# Altium PCB 键盘-Tony.PcbDoc (part 1 of 4)
Units mm, origin at the board's own origin, x right, y up, seen from the top; angles counter-clockwise.
Board outline 443.48 x 149.35 mm, 2 copper layers (Top Layer, Bottom Layer); 278 components, 283 nets, 1577 pads, 1412 vias.
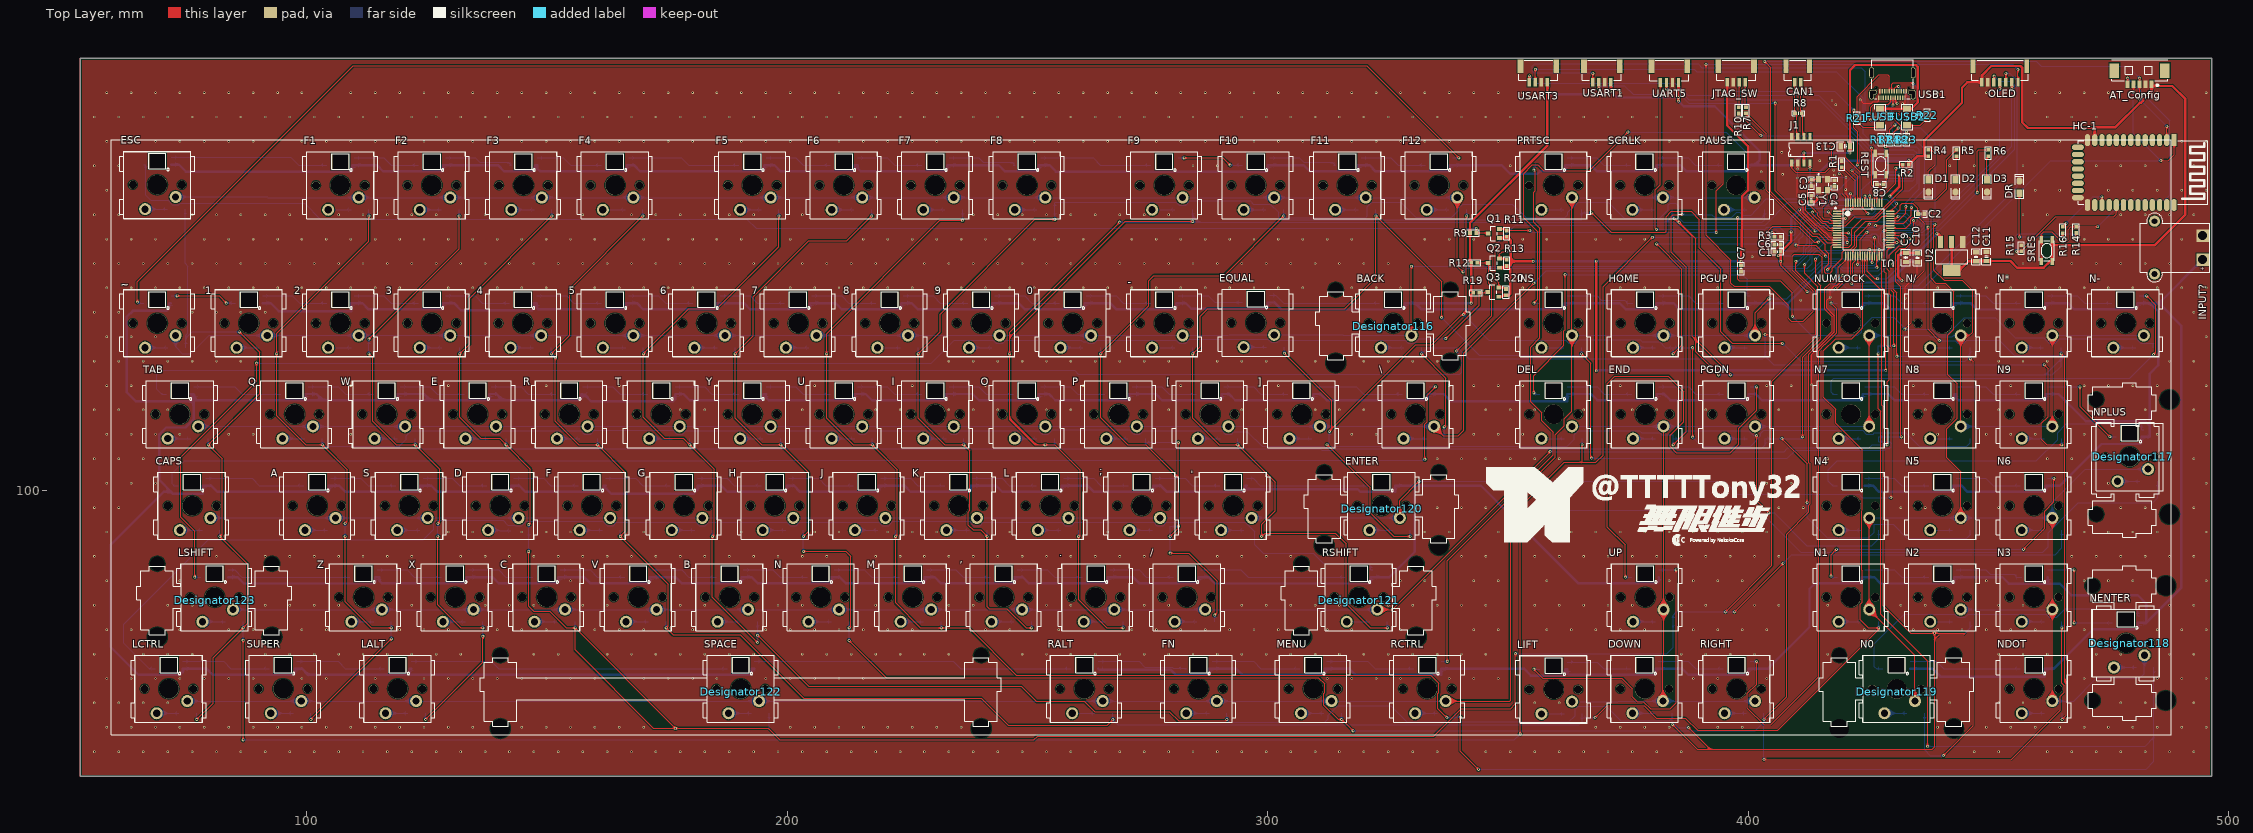
[diagram p0: Top Layer view]
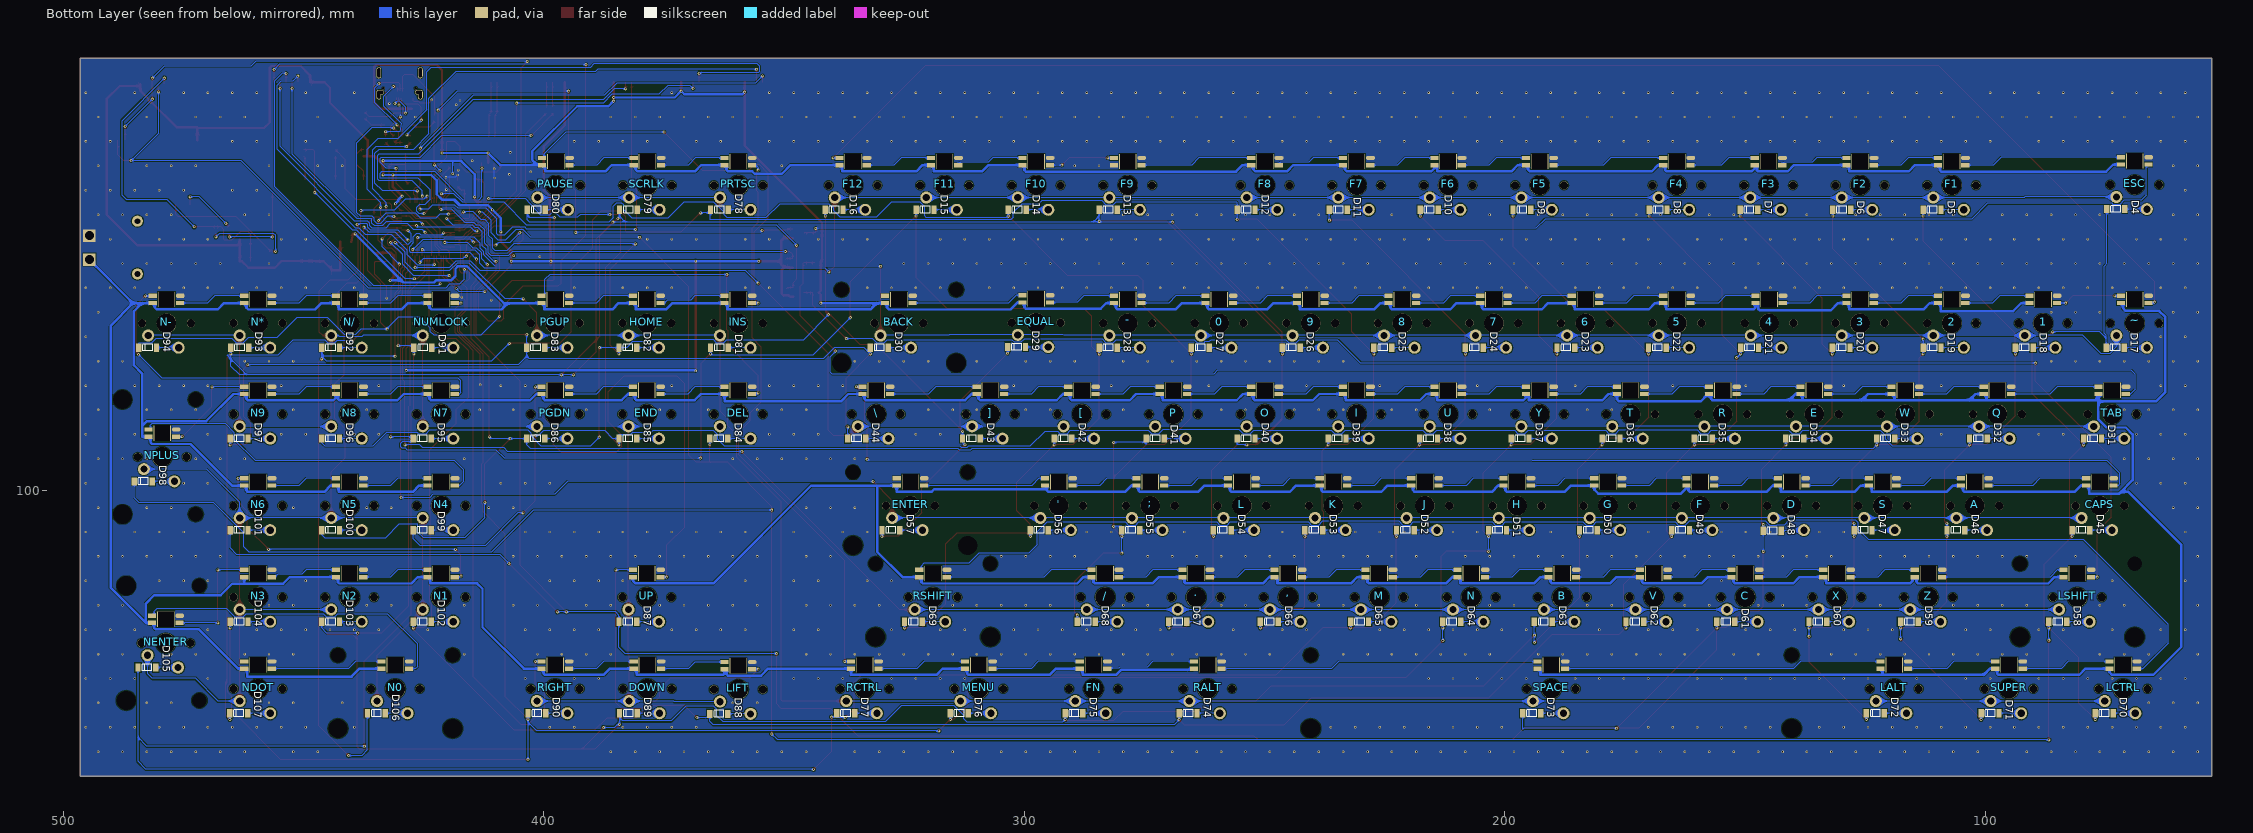
[diagram p1: Bottom Layer view, seen from below]

## Layer stack, top to bottom
Top Solder: solder mask 0.0102, Solder Resist, Dk 3.5
Top Layer: signal copper 0.0356
Dielectric 1: dielectric 0.32, FR-4, Dk 4.8
Bottom Layer: signal copper 0.0356
Bottom Solder: solder mask 0.0102, Solder Resist, Dk 3.5

## Board outline
52.959,40.64 52.959,189.992 496.443,189.992 496.443,40.64

## Design rules (kind name [scope] priority, off if disabled: settings)
Clearance [All] p1: gap=0.152 ignorepadtopadclearanceinfootprint=FALSE except(0: Arc-Hole Track-Hole SMDPad-Hole THPad-Hole Via-Hole Fill-Hole Poly-Hole Region-Hole Text-Hole)
HoleSize [All] p1: absolutevalues=TRUE maxlimit=25.4 minlimit=0.025 maxpercent=80.000 minpercent=20.000
HoleToHoleClearance [All] p1: gap=0 allowstackedmicrovias=TRUE
MinimumSolderMaskSliver [All] p1: minsoldermaskwidth=0
PolygonConnect [All] p1: connectstyle=Direct reliefconductorwidth=0.254 reliefentries=4 polygonreliefangle="90 Angle" airgapwidth=0.254
RoutingVias [All] p1: holewidth=0.305 width=0.61 viastyle="Through Hole" minholewidth=0.305 minwidth=0.61 maxholewidth=1.27 maxwidth=1.27 viatemplateguid#1={4AA300DE-D677-4466-8051-0518374BE832} viatemplatename#1=v61h30
SilkToSilkClearance [All] p1: silktosilkclearance=0
SilkToSolderMaskClearance [IsPad] p1: minsilkscreentomaskgap=0 clearancetoexposedcopper=TRUE
SolderMaskExpansion [All] p1: expansion=0.102 istentingtop=FALSE
Width Width_2 [InNet('L_VCC')] p1: maxlimit=0.508 minlimit=0.508 preferedwidth=0.508
Width Width_1 [InNet('VCC3V3')] p2: maxlimit=0.508 minlimit=0.254 preferedwidth=0.508
Width [All] p3: maxlimit=0.254 minlimit=0.254 preferedwidth=0.254
25 further rules are at their usual default settings.

## Classes and differential pairs
component class 主板: C1 C2 C3 C4 C5 C6 C7 C8 C9 C10 C11 C12 C13 CAN1 D1 D2 D3 INPUT? J1 JTAG_SW OLED Q1 Q2 Q3 R1 R2 R3 R4 R5 R6 R7 R8 R9 R10 R11 R12 R13 R19 R20 RES REST U1 U2 UART5 USART1 USART3 Y1
component class 蓝牙和数据: AT_Config DR FUSB FUSB2 HC-1 R14 R15 R16 R17 R18 R21 R22 R23 R24 SRES USB1
component class 键盘扫描: 0 1 2 3 4 5 6 7 8 9 ' , - . / ; [ \ ] A B BACK C CAPS D D4 D5 D6 D7 D8 D9 D10 D11 D12 D13 D14 D15 D16 D17 D18 D19 D20 D21 D22 D23 D24 D25 D26 D27 D28 D29 D30 D31 D32 D33 D34 D35 D36 D37 D38 D39 D40 D41 D42 D43 D44 D45 D46 D47 D48 D49 D50 D51 D52 D53 D54 D55 D56 D57 D58 D59 D60 D61 D62 D63 D64 D65 D66 D67 D68 D69 D70 D71 D72 D73 D74 D75 D76 D77 D78 D79 D80 D81 D82 D83 D84 D85 D86 D87 D88 D89 D90 D91 D92 D93 D94 D95 D96 D97 D98 D99 D100 D101 D102 D103 D104 D105 D106 D107 DEL DOWN E END ENTER EQUAL ESC F F1 F2 F3 F4 F5 F6 F7 F8 F9 F10 F11 F12 FN G H HOME I INS J K L LALT LCTRL LIFT LSHIFT M MENU N N0 N1 N2 N3 N4 N5 N6 N7 N8 N9 N* N- N/ NDOT NENTER NPLUS NUMLOCK O P PAUSE PGDN PGUP PRTSC Q R RALT RCTRL RIGHT RSHIFT S SCRLK SPACE SUPER T TAB U UP V W X Y Z ~

## Components (designator, comment, footprint, x,y, rotation, side; value= is the part's Value field where it differs from the comment)
0 "Comment" MX_SW-1 259.461,134.874 r0 top locked
1 "Comment" MX_SW-1 88.011,134.874 r0 top locked
2 "Comment" MX_SW-1 107.061,134.874 r0 top locked
3 "Comment" MX_SW-1 126.111,134.874 r0 top locked
4 "Comment" MX_SW-1 145.034,134.874 r0 top locked
5 "Comment" MX_SW-1 164.211,134.874 r0 top locked
6 "Comment" MX_SW-1 183.261,134.874 r0 top locked
7 "Comment" MX_SW-1 202.311,134.874 r0 top locked
8 "Comment" MX_SW-1 221.361,134.874 r0 top locked
9 "Comment" MX_SW-1 240.411,134.874 r0 top locked
' "Comment" MX_SW-1 292.862,96.901 r0 top locked
, "Comment" MX_SW-1 245.11,77.851 r0 top locked
- "Comment" MX_SW-1 278.511,134.874 r0 top locked
. "Comment" MX_SW-1 264.287,77.851 r0 top locked
/ "Comment" MX_SW-1 283.21,77.851 r0 top locked
; "Comment" MX_SW-1 273.812,96.901 r0 top locked
[ "Comment" MX_SW-1 288.036,115.951 r0 top locked
\ "Comment" MX_SW-1 330.835,115.951 r0 top locked
] "Comment" MX_SW-1 307.086,115.951 r0 top locked
A "Comment" MX_SW-1 102.235,96.901 r0 top locked
AT_Config "HDR1x4" "MX 1.25-WS-5P" 481.457,187.452 r180 top
B "Comment" MX_SW-1 188.087,77.851 r0 top locked
BACK "Comment" MX_SW-1 326.136,134.874 r0 top locked
C "Comment" MX_SW-1 149.987,77.851 r0 top locked
C1 "C 0603_L" "C 0603_L" 406.131,149.733 r180 top
C2 "C 0603_L" "C 0603_L" 435.991,157.607 r0 top
C3 "C 0603_L" "C 0603_L" 413.131,164.084 r270 top
C4 "C 0603_L" "C 0603_L" 417.957,163.972 r270 top
C5 "C 0603_L" "C 0603_L" 413.131,160.797 r90 top
C6 "C 0603_L" "C 0603_L" 406.146,151.257 r0 top
C7 "C 0603_L" "C 0603_L" 398.526,146.304 r270 top
C8 "C 0603_L" "C 0603_L" 427.482,163.83 r180 top
C9 "C 0805_L" "C 0805_L" 432.816,148.59 r90 top
C10 "C 0805_L" "C 0805_L" 435.229,148.524 r90 top
C11 "C 0805_L" "C 0805_L" 449.58,148.783 r270 top
C12 "C 0805_L" "C 0805_L" 447.421,148.717 r270 top
C13 "C 0805_L" "C 0805_L" 420.243,171.704 r180 top
CAN1 "HDR1x2" GH1.25-立贴-2P 410.952,185.039 r180 top
CAPS "Comment" MX_SW-1 76.2,96.901 r0 top locked
D "Comment" MX_SW-1 140.335,96.901 r0 top locked
D1 "LED" "LED 0805R" 437.515,163.449 r270 top
D2 "LED" "LED 0805R" 443.166,163.449 r270 top
D3 "LED" "LED 0805R" 449.707,163.449 r270 top
D4 "LL4148" LL-34_L3.7-W1.6-RD 72.898,158.623 r180 bottom locked
D5 "LL4148" LL-34_L3.7-W1.6-RD 111.125,158.496 r180 bottom locked
D6 "LL4148" LL-34_L3.7-W1.6-RD 129.921,158.496 r180 bottom locked
D7 "LL4148" LL-34_L3.7-W1.6-RD 149.225,158.496 r180 bottom locked
D8 "LL4148" LL-34_L3.7-W1.6-RD 168.148,158.496 r180 bottom locked
D9 "LL4148" LL-34_L3.7-W1.6-RD 196.469,158.496 r180 bottom locked
D10 "LL4148" LL-34_L3.7-W1.6-RD 215.773,158.496 r180 bottom locked
D11 "LL4148" LL-34_L3.7-W1.6-RD 234.696,158.496 r180 bottom locked
D12 "LL4148" LL-34_L3.7-W1.6-RD 253.873,158.496 r180 bottom locked
D13 "LL4148" LL-34_L3.7-W1.6-RD 282.575,158.496 r180 bottom locked
D14 "LL4148" LL-34_L3.7-W1.6-RD 301.498,158.496 r180 bottom locked
D15 "LL4148" LL-34_L3.7-W1.6-RD 320.675,158.496 r180 bottom locked
D16 "LL4148" LL-34_L3.7-W1.6-RD 339.598,158.496 r180 bottom locked
D17 "LL4148" LL-34_L3.7-W1.6-RD 73.025,129.794 r180 bottom locked
D18 "LL4148" LL-34_L3.7-W1.6-RD 91.948,129.794 r180 bottom locked
D19 "LL4148" LL-34_L3.7-W1.6-RD 111.125,129.794 r180 bottom locked
D20 "LL4148" LL-34_L3.7-W1.6-RD 130.048,129.794 r180 bottom locked
D21 "LL4148" LL-34_L3.7-W1.6-RD 149.098,129.794 r180 bottom locked
D22 "LL4148" LL-34_L3.7-W1.6-RD 168.275,129.794 r180 bottom locked
D23 "LL4148" LL-34_L3.7-W1.6-RD 187.325,129.794 r180 bottom locked
D24 "LL4148" LL-34_L3.7-W1.6-RD 206.375,129.794 r180 bottom locked
D25 "LL4148" LL-34_L3.7-W1.6-RD 225.425,129.794 r180 bottom locked
D26 "LL4148" LL-34_L3.7-W1.6-RD 244.475,129.794 r180 bottom locked
D27 "LL4148" LL-34_L3.7-W1.6-RD 263.398,129.794 r180 bottom locked
D28 "LL4148" LL-34_L3.7-W1.6-RD 282.575,129.794 r180 bottom locked
D29 "LL4148" LL-34_L3.7-W1.6-RD 301.625,129.921 r180 bottom locked
D30 "LL4148" LL-34_L3.7-W1.6-RD 330.2,129.794 r180 bottom locked
D31 "LL4148" LL-34_L3.7-W1.6-RD 77.724,110.871 r180 bottom locked
D32 "LL4148" LL-34_L3.7-W1.6-RD 101.473,110.871 r180 bottom locked
D33 "LL4148" LL-34_L3.7-W1.6-RD 120.777,110.871 r180 bottom locked
D34 "LL4148" LL-34_L3.7-W1.6-RD 139.7,110.871 r180 bottom locked
D35 "LL4148" LL-34_L3.7-W1.6-RD 158.75,110.871 r180 bottom locked
D36 "LL4148" LL-34_L3.7-W1.6-RD 177.927,110.871 r180 bottom locked
D37 "LL4148" LL-34_L3.7-W1.6-RD 196.85,110.871 r180 bottom locked
D38 "LL4148" LL-34_L3.7-W1.6-RD 215.9,110.871 r180 bottom locked
D39 "LL4148" LL-34_L3.7-W1.6-RD 234.95,110.871 r180 bottom locked
D40 "LL4148" LL-34_L3.7-W1.6-RD 253.873,110.871 r180 bottom locked
D41 "LL4148" LL-34_L3.7-W1.6-RD 272.796,110.871 r180 bottom locked
D42 "LL4148" LL-34_L3.7-W1.6-RD 291.973,110.871 r180 bottom locked
D43 "LL4148" LL-34_L3.7-W1.6-RD 311.023,110.871 r180 bottom locked
D44 "LL4148" LL-34_L3.7-W1.6-RD 334.899,110.871 r180 bottom locked
D45 "LL4148" LL-34_L3.7-W1.6-RD 80.137,91.821 r180 bottom locked
D46 "LL4148" LL-34_L3.7-W1.6-RD 106.172,91.821 r180 bottom locked
D47 "LL4148" LL-34_L3.7-W1.6-RD 125.476,91.821 r180 bottom locked
D48 "LL4148" LL-34_L3.7-W1.6-RD 144.399,91.694 r180 bottom locked
D49 "LL4148" LL-34_L3.7-W1.6-RD 163.449,91.821 r180 bottom locked
D50 "LL4148" LL-34_L3.7-W1.6-RD 182.626,91.821 r180 bottom locked
D51 "LL4148" LL-34_L3.7-W1.6-RD 201.549,91.821 r180 bottom locked
D52 "LL4148" LL-34_L3.7-W1.6-RD 220.726,91.821 r180 bottom locked
D53 "LL4148" LL-34_L3.7-W1.6-RD 239.776,91.821 r180 bottom locked
D54 "LL4148" LL-34_L3.7-W1.6-RD 258.826,91.821 r180 bottom locked
D55 "LL4148" LL-34_L3.7-W1.6-RD 277.876,91.821 r180 bottom locked
D56 "LL4148" LL-34_L3.7-W1.6-RD 296.926,91.821 r180 bottom locked
D57 "LL4148" LL-34_L3.7-W1.6-RD 327.787,91.821 r180 bottom locked
D58 "LL4148" LL-34_L3.7-W1.6-RD 84.963,72.771 r180 bottom locked
D59 "LL4148" LL-34_L3.7-W1.6-RD 115.824,72.771 r180 bottom locked
D60 "LL4148" LL-34_L3.7-W1.6-RD 134.874,72.771 r180 bottom locked
D61 "LL4148" LL-34_L3.7-W1.6-RD 154.051,72.771 r180 bottom locked
D62 "LL4148" LL-34_L3.7-W1.6-RD 172.974,72.771 r180 bottom locked
D63 "LL4148" LL-34_L3.7-W1.6-RD 192.024,72.771 r180 bottom locked
D64 "LL4148" LL-34_L3.7-W1.6-RD 211.074,72.771 r180 bottom locked
D65 "LL4148" LL-34_L3.7-W1.6-RD 230.251,72.771 r180 bottom locked
D66 "LL4148" LL-34_L3.7-W1.6-RD 249.047,72.771 r180 bottom locked
D67 "LL4148" LL-34_L3.7-W1.6-RD 268.097,72.771 r180 bottom locked
D68 "LL4148" LL-34_L3.7-W1.6-RD 287.147,72.771 r180 bottom locked
D69 "LL4148" LL-34_L3.7-W1.6-RD 323.088,72.771 r180 bottom locked
D70 "LL4148" LL-34_L3.7-W1.6-RD 75.311,53.721 r180 bottom locked
D71 "LL4148" LL-34_L3.7-W1.6-RD 99.06,53.721 r180 bottom locked
D72 "LL4148" LL-34_L3.7-W1.6-RD 122.936,53.721 r180 bottom locked
D73 "LL4148" LL-34_L3.7-W1.6-RD 194.437,53.721 r180 bottom locked
D74 "LL4148" LL-34_L3.7-W1.6-RD 265.938,53.721 r180 bottom locked
D75 "LL4148" LL-34_L3.7-W1.6-RD 289.687,53.721 r180 bottom locked
D76 "LL4148" LL-34_L3.7-W1.6-RD 313.563,53.721 r180 bottom locked
D77 "LL4148" LL-34_L3.7-W1.6-RD 337.185,53.721 r180 bottom locked
D78 "LL4148" LL-34_L3.7-W1.6-RD 363.474,158.496 r180 bottom locked
D79 "LL4148" LL-34_L3.7-W1.6-RD 382.397,158.496 r180 bottom locked
D80 "LL4148" LL-34_L3.7-W1.6-RD 401.574,158.496 r180 bottom locked
D81 "LL4148" LL-34_L3.7-W1.6-RD 363.474,129.794 r180 bottom locked
D82 "LL4148" LL-34_L3.7-W1.6-RD 382.524,129.794 r180 bottom locked
D83 "LL4148" LL-34_L3.7-W1.6-RD 401.701,129.794 r180 bottom locked
D84 "LL4148" LL-34_L3.7-W1.6-RD 363.601,110.871 r180 bottom locked
D85 "LL4148" LL-34_L3.7-W1.6-RD 382.524,110.871 r180 bottom locked
D86 "LL4148" LL-34_L3.7-W1.6-RD 401.701,110.871 r180 bottom locked
D87 "LL4148" LL-34_L3.7-W1.6-RD 382.524,72.771 r180 bottom locked
D88 "LL4148" LL-34_L3.7-W1.6-RD 363.601,53.594 r180 bottom locked
D89 "LL4148" LL-34_L3.7-W1.6-RD 382.397,53.721 r180 bottom locked
D90 "LL4148" LL-34_L3.7-W1.6-RD 401.447,53.721 r180 bottom locked
D91 "LL4148" LL-34_L3.7-W1.6-RD 425.196,129.794 r180 bottom locked
D92 "LL4148" LL-34_L3.7-W1.6-RD 444.373,129.794 r180 bottom locked
D93 "LL4148" LL-34_L3.7-W1.6-RD 463.296,129.794 r180 bottom locked
D94 "LL4148" LL-34_L3.7-W1.6-RD 482.473,129.794 r180 bottom locked
D95 "LL4148" LL-34_L3.7-W1.6-RD 425.323,110.871 r180 bottom locked
D96 "LL4148" LL-34_L3.7-W1.6-RD 444.373,110.871 r180 bottom locked
D97 "LL4148" LL-34_L3.7-W1.6-RD 463.423,110.871 r180 bottom locked
D98 "LL4148" LL-34_L3.7-W1.6-RD 483.362,101.981 r180 bottom locked (schematic designator D99)
D99 "LL4148" LL-34_L3.7-W1.6-RD 425.323,91.821 r180 bottom locked (schematic designator D100)
D100 "LL4148" LL-34_L3.7-W1.6-RD 444.373,91.821 r180 bottom locked (schematic designator D101)
D101 "LL4148" LL-34_L3.7-W1.6-RD 463.423,91.821 r180 bottom locked (schematic designator D102)
D102 "LL4148" LL-34_L3.7-W1.6-RD 425.323,72.771 r180 bottom locked (schematic designator D103)
D103 "LL4148" LL-34_L3.7-W1.6-RD 444.373,72.771 r180 bottom locked (schematic designator D104)
D104 "LL4148" LL-34_L3.7-W1.6-RD 463.423,72.771 r180 bottom locked (schematic designator D105)
D105 "LL4148" LL-34_L3.7-W1.6-RD 482.6,63.246 r180 bottom locked (schematic designator D106)
D106 "LL4148" LL-34_L3.7-W1.6-RD 434.848,53.721 r180 bottom locked (schematic designator D98)
D107 "LL4148" LL-34_L3.7-W1.6-RD 463.499,53.721 r180 bottom locked
DEL "Comment" MX_SW-1 359.537,115.951 r0 top locked
Designator116 "Comment" 卫星轴 326.136,134.874 r0 top locked
Designator117 "Comment" 卫星轴 479.425,107.061 r90 top locked
Designator118 "Comment" 卫星轴 478.663,68.326 r90 top locked
Designator119 "Comment" 卫星轴 430.911,58.801 r0 top locked
Designator120 "Comment" 卫星轴 323.723,96.901 r0 top locked
Designator121 "Comment" 卫星轴 319.024,77.851 r0 top locked
Designator122 "Comment" 空格卫星轴 190.373,58.801 r0 top locked
Designator123 "Comment" 卫星轴 80.899,77.851 r0 top
DOWN "Comment" MX_SW-1 378.46,58.801 r0 top locked
DR "LED" "LED 0805R" 456.438,163.195 r90 top
E "Comment" MX_SW-1 135.636,115.951 r0 top locked
END "Comment" MX_SW-1 378.587,115.951 r0 top locked
ENTER "Comment" MX_SW-1 323.723,96.901 r0 top locked
EQUAL "MX_SW" MX_SW-1 297.561,135.001 r0 top locked (schematic designator =)
ESC "Comment" MX_SW-1 68.961,163.703 r0 top locked
F "Comment" MX_SW-1 159.385,96.901 r0 top locked
F1 "Comment" MX_SW-1 107.061,163.576 r0 top locked
F2 "Comment" MX_SW-1 126.111,163.576 r0 top locked
F3 "Comment" MX_SW-1 145.161,163.576 r0 top locked
F4 "Comment" MX_SW-1 164.211,163.576 r0 top locked
F5 "Comment" MX_SW-1 192.786,163.576 r0 top locked
F6 "Comment" MX_SW-1 211.836,163.576 r0 top locked
F7 "Comment" MX_SW-1 230.886,163.576 r0 top locked
F8 "Comment" MX_SW-1 249.936,163.576 r0 top locked
F9 "Comment" MX_SW-1 278.511,163.576 r0 top locked
F10 "Comment" MX_SW-1 297.561,163.576 r0 top locked
F11 "Comment" MX_SW-1 316.611,163.576 r0 top locked
F12 "Comment" MX_SW-1 335.661,163.576 r0 top locked
FN "Comment" MX_SW-1 285.623,58.801 r0 top locked
FUSB "保险丝" "FU 1206" 427.482,177.8 r270 top
FUSB2 "保险丝" "FU 1206" 433.07,177.8 r90 top
G "Comment" MX_SW-1 178.562,96.901 r0 top locked
H "Comment" MX_SW-1 197.485,96.901 r0 top locked
HC-1 "HC-04-HID" HC-04 482.219,166.243 r270 top
HOME "Comment" MX_SW-1 378.587,134.874 r0 top locked
I "Comment" MX_SW-1 230.886,115.951 r0 top locked
INPUT? "XT30" XT30PW-M 489.585,150.622 r270 top
INS "Comment" MX_SW-1 359.537,134.874 r0 top locked
J "Comment" MX_SW-1 216.662,96.901 r0 top locked
J1 "TJA1050T/CM,118" SOIC-8_150MIL 409.067,168.236 r90 top
JTAG_SW "HDR1x4" GH1.25-立贴-4P 399.395,185.039 r180 top
K "Comment" MX_SW-1 235.712,96.901 r0 top locked
L "Comment" MX_SW-1 254.762,96.901 r0 top locked
LALT "Comment" MX_SW-1 118.999,58.801 r0 top locked
LCTRL "Comment" MX_SW-1 71.374,58.801 r0 top locked
LIFT "MX_SW" MX_SW-1 359.537,58.674 r0 top locked
LSHIFT "Comment" MX_SW-1 80.899,77.851 r0 top locked
M "Comment" MX_SW-1 226.187,77.851 r0 top locked
MENU "Comment" MX_SW-1 309.499,58.801 r0 top locked
N "Comment" MX_SW-1 207.01,77.851 r0 top locked
N0 "Comment" MX_SW-1 430.911,58.801 r0 top locked
N1 "Comment" MX_SW-1 421.386,77.851 r0 top locked
N2 "Comment" MX_SW-1 440.436,77.851 r0 top locked
N3 "Comment" MX_SW-1 459.486,77.851 r0 top locked
N4 "Comment" MX_SW-1 421.386,96.901 r0 top locked
N5 "Comment" MX_SW-1 440.436,96.901 r0 top locked
N6 "Comment" MX_SW-1 459.486,96.901 r0 top locked
N7 "Comment" MX_SW-1 421.386,115.951 r0 top locked
N8 "Comment" MX_SW-1 440.436,115.951 r0 top locked
N9 "Comment" MX_SW-1 459.486,115.951 r0 top locked
N* "Comment" MX_SW-1 459.486,134.874 r0 top locked
N- "Comment" MX_SW-1 478.536,134.874 r0 top locked
N/ "Comment" MX_SW-1 440.436,134.874 r0 top locked
NDOT "Comment" MX_SW-1 459.486,58.801 r0 top locked
NENTER "Comment" MX_SW-1 478.663,68.326 r0 top locked
NPLUS "Comment" MX_SW-1 479.425,107.061 r0 top locked
NUMLOCK "Comment" MX_SW-1 421.386,134.874 r0 top locked
O "Comment" MX_SW-1 249.936,115.951 r0 top locked
OLED "HDR1x7" GH1.25-立贴-7P 456.144,185.039 r180 top
P "Comment" MX_SW-1 268.986,115.951 r0 top locked
PAUSE "Comment" MX_SW-1 397.51,163.576 r0 top locked
PGDN "Comment" MX_SW-1 397.637,115.951 r0 top locked
PGUP "Comment" MX_SW-1 397.637,134.874 r0 top locked
PRTSC "Comment" MX_SW-1 359.537,163.576 r0 top locked
Q "Comment" MX_SW-1 97.536,115.951 r0 top locked
Q1 "AO3400A" AO3400A 347.091,153.543 r0 top
Q2 "AO3400A" AO3400A 347.084,147.386 r0 top
Q3 "AO3400A" AO3400A 346.964,141.351 r0 top
R "Comment" MX_SW-1 154.686,115.951 r0 top locked
R1 "R 0603_L" "R 0603_L" 419.481,168.006 r90 top
R2 "R 0603_L" "R 0603_L" 432.801,167.894 r180 top
R3 "R 0603_L" "R 0603_L" 406.146,152.908 r0 top
R4 "R 0603_L" "R 0603_L" 437.515,170.307 r270 top
R5 "R 0603_L" "R 0603_L" 443.357,170.307 r90 top
R6 "R 0603_L" "R 0603_L" 449.961,170.307 r90 top
R7 "R 0603_L" "R 0603_L" 399.542,179.197 r270 top
R8 "R 0603_P" 0603P 410.464,178.562 r180 top
R9 "R 0603_L" "R 0603_L" 342.773,153.67 r180 top
R10 "R 0603_L" "R 0603_L" 398.018,179.182 r270 top
R11 "R 0603_L" "R 0603_L" 349.758,153.543 r270 top
R12 "R 0603_L" "R 0603_L" 343.027,147.447 r180 top
R13 "R 0603_L" "R 0603_L" 349.758,147.447 r270 top
R14 "R603_L" "R 0603_L" 468.249,154.305 r90 top
R15 "R603_L" "R 0603_L" 456.819,150.495 r90 top
R16 "R603_L" "R 0603_L" 465.455,154.29 r270 top
R17 "R 0603_L" "R 0603_L" 427.736,173.101 r90 top
R18 "R 0603_L" "R 0603_L" 431.165,173.101 r90 top
R19 "R 0603_L" "R 0603_L" 343.423,141.224 r180 top
R20 "R 0603_L" "R 0603_L" 349.631,141.351 r270 top
R21 "R 0603_L" "R 0603_L" 422.656,177.561 r90 top
R22 "R 0603_L" "R 0603_L" 437.261,178.181 r270 top
R23 "R 0603_L" "R 0603_L" 432.943,173.101 r90 top
R24 "R 0603_L" "R 0603_L" 429.514,173.116 r90 top
RALT "Comment" MX_SW-1 261.874,58.801 r0 top locked
RCTRL "MX_SW" MX_SW-1 333.248,58.801 r0 top locked
REST "SW-PB" SMD-3.2*4.2 427.609,168.021 r270 top
RIGHT "Comment" MX_SW-1 397.637,58.801 r0 top locked
RSHIFT "Comment" MX_SW-1 319.024,77.851 r0 top locked
S "Comment" MX_SW-1 121.412,96.901 r0 top locked
SCRLK "Comment" MX_SW-1 378.46,163.576 r0 top locked
SPACE "Comment" MX_SW-1 190.373,58.801 r0 top locked
SRES "SW-PB" SMD-3.2*4.2 462.153,149.987 r90 top
SUPER "Comment" MX_SW-1 95.123,58.801 r0 top locked
T "Comment" MX_SW-1 173.863,115.951 r0 top locked
TAB "Comment" MX_SW-1 73.66,115.951 r0 top locked
U "Comment" MX_SW-1 211.836,115.951 r0 top locked
U1 "STM32F405RGT6" STM32F405RGT6 424.18,154.686 r0 top
U2 "SPX1117M3-L-3-3" SPX1117M3-L-3-3/TR 442.341,148.844 r90 top
UART5 "HDR1x4" GH1.25-立贴-4P 385.5,184.991 r180 top
UP "Comment" MX_SW-1 378.587,77.851 r0 top locked
USART1 "HDR1x4" GH1.25-立贴-4P 371.435,185.039 r180 top
USART3 "HDR1x4" GH1.25-立贴-4P 358.227,185.039 r180 top
USB1 "TYPE-C 24P QT" USB-C-SMD_TYPE-C-24P-QT 430.022,184.404 r180 top
V "Comment" MX_SW-1 169.037,77.851 r0 top locked
W "Comment" MX_SW-1 116.713,115.951 r0 top locked
X "Comment" MX_SW-1 130.937,77.851 r0 top locked
Y "Comment" MX_SW-1 192.786,115.951 r0 top locked
Y1 "12MHZ" SMD-3225_4P 414.655,164.86 r270 top
Z "Comment" MX_SW-1 111.887,77.851 r0 top locked
~ "Comment" MX_SW-1 68.961,134.874 r0 top locked

## Footprints (in the part's own frame and the unit in brackets; to place one, negate y for a bottom-side part, rotate by r counter-clockwise, add the part's x,y. Pads: shape width x height; smd on the part's side, far side on the other; paste and mask are expansions set on the pad)
0603P [mil]
  rect 30x30 smd: 1(-27,0) 2(27.5,-0.06)
  silkscreen extent -50,-20 50,20
AO3400A [mm] "SOT-23_L2.9-W1.3-P1.90-LS2.4-BR"
  rect 1x0.8 smd mask+0.051: 1(1.15,-0.95) 2(1.15,0.95) 3(-1.15,0)
  silkscreen extent -0.7,-1.5 0.7,1.5, body extent -1.5,-1.55 1.5,1.55, height 1.25
"C 0603_L" [mil] "无极性贴片电容                                       淘宝ID:黄晶宝石"
  rect 30x30 smd: 1(-25.59,0) 2(25.59,0)
  silkscreen extent -51,-26 51,26, body extent -31,-16 31,16, height 32
"C 0805_L" [mil] "无极性贴片电容                                        淘宝ID:黄晶宝石"
  rect 35x50 smd: 1(-37.4,0) 2(37.4,0)
  silkscreen extent -67,-36 67,36, body extent -39,-24 39,24, height 20
"FU 1206" [mil] "贴片保险丝"
  rect 50x65 smd: 1(-67.5,0) 2(67.5,0)
  silkscreen extent -105,-45 105,45, body extent -63,-32 63,32, height 34
GH1.25-立贴-2P [mm]
  rect 1x2.8 smd: 0(-1.85,-3.35) 0(3.1,-3.35)
  rect 0.7x1.8 smd: 1(0,0) 2(1.25,0)
  silkscreen extent -2.16,-4.57 3.43,-0.38, body extent -3.19,-4.33 4.46,-0.23, height 4.7
GH1.25-立贴-4P [mm]
  rect 1.2x2.8 smd: 0(-1.85,-3.35) 0(5.6,-3.35)
  rect 0.7x1.8 smd: 1(0,0) 2(1.25,0) 3(2.5,0) 4(3.75,0)
  silkscreen extent -2.16,-4.57 5.97,-0.38, body extent -3.23,-4.08 6.92,0.02, height 4.7
GH1.25-立贴-7P [mm]
  rect 1x2.8 smd: 0(-1.85,-3.35) 0(9.35,-3.35)
  rect 0.7x1.8 smd: 1(0,0) 2(1.25,0) 3(2.5,0) 4(3.75,0) 5(5,0) 6(6.25,0) 7(7.5,0)
  silkscreen extent -2.16,-4.57 9.65,-0.38, body extent -3.2,-4.14 10.7,-0.04, height 4.7
HC-04 [mm] "串口蓝牙模块"
  rect 2.5x1.1 smd: 1(-6.75,6.403)
  oval 2.5x1.1 smd: 2(-6.75,4.903) 3(-6.75,3.403) 4(-6.75,1.903) 5(-6.75,0.403) 6(-6.75,-1.097) 7(-6.75,-2.597) 8(-6.75,-4.097) 9(-6.75,-5.597) 10(-6.75,-7.097) 11(-6.75,-8.597) 12(-6.75,-10.097) 13(-6.75,-11.597) 22(6.75,-11.597) 23(6.75,-10.097) 24(6.75,-8.597) 25(6.75,-7.097) 26(6.75,-5.597) 27(6.75,-4.097) 28(6.75,-2.597) 29(6.75,-1.097) 30(6.75,0.403) 31(6.75,1.903) 32(6.75,3.403) 33(6.75,4.903) 34(6.75,6.403)
  oval 1.1x2.5 smd: 14(-5.25,-13.597) 15(-3.75,-13.597) 16(-2.25,-13.597) 17(-0.75,-13.597) 18(0.75,-13.597) 19(2.25,-13.597) 20(3.75,-13.597) 21(5.25,-13.597)
  silkscreen extent -6.65,-13.49 6.64,13.46, body extent -6.52,-13.37 6.52,13.35, height 2.46
"LED 0805R" [mil] "红色0805LED                                       淘宝ID:黄晶宝石"
  rect 60x50 smd: 1(-50,0)
  oct 60x50 smd: 2(50,0)
  silkscreen extent -90,-35 105,35, body extent -39,-25 39,25, height 32
LL-34_L3.7-W1.6-RD [mil]
  rect 44x67 smd: 1(73,0) 2(-73,0)
  silkscreen extent -39,-27 41,28, body extent -68,-29 78,34, height 63
"MX 1.25-WS-5P" [mm] "长：11.4mm，宽：4.2mm，高：3.4mm"
  rect 2x3 smd: 0(-5.257,0) 0(5.257,0)
  rect 0.8x1.6 smd: 1(-2.514,2.811) 2(-1.264,2.811) 3(-0.014,2.811) 4(1.236,2.811) 5(2.486,2.811)
  silkscreen extent -5.86,-2.23 5.83,3.25, body extent -5.7,-2.1 5.7,3.09, height 3.4
MX_SW-1 [mm] "with Fixation pins  1-Pole w/Diode"
  round 2.5 hole 1.5: 1(3.81,-2.54) 2(-2.54,-5.08)
  rect 1.7x0.9 smd far side: 3(2.85,4.203) 4(2.85,5.703) 6(-2.85,4.203)
  oct 1.8x0.9 smd far side: 5(-2.9,5.703)
  round 1.702 hole 1.702: ""(-5.08,0) ""(5.08,0)
  round 4.064 hole 4.064: ""(0,0)
  rect 3.6x3.2 hole 3.2 square: ""(0,4.953)
  silkscreen extent -7,-7 7,7, body extent -7.85,-7.8 7.75,7.8, height 15.4
"R 0603_L" [mil] "1/10W贴片电阻                 淘宝ID:黄晶宝石"
  rect 30x30 smd: 1(-25.59,0) 2(25.59,0)
  silkscreen extent -51,-26 51,26, body extent -31,-16 32,16, height 16
SMD-3.2*4.2 [mm]
  rect 1.5x0.7 smd: 1(-2.25,1.125) 1(2.25,1.125) 2(-2.25,-1.125) 2(2.25,-1.125)
  silkscreen extent -2.1,-1.6 2.1,1.6, body extent -2.73,-1.6 2.47,1.58, height 1.8
SMD-3225_4P [mm]
  rect 1.3x1.05 smd: 1(0,0) 2(2.3,0) 3(2.3,1.85) 4(0,1.85)
  silkscreen extent -1.14,-0.33 2.74,2.17, body extent -0.46,-0.36 2.74,2.14, height 0.7
SOIC-8_150MIL [mm]
  rect 1.473x0.65 smd: 1(0,0) 2(0,-1.27) 3(0,-2.54) 4(0,-3.81) 5(5.5,-3.81) 6(5.5,-2.54) 7(5.5,-1.27) 8(5.5,0)
  silkscreen extent 1.35,-4.34 4.2,0.58, body extent -0.3,-4.34 5.7,0.56, height 1.7
SPX1117M3-L-3-3/TR [mm] "SOT-223-3_L6.5-W3.4-P2.30-LS7.0-BR"
  rect 2.5x1.1 smd mask+0.051: 1(2.97,-2.3) 2(2.97,0) 3(2.97,2.3)
  rect 2.34x3.6 smd mask+0.051: 4(-2.97,0)
  silkscreen extent -1.57,-3.33 1.37,3.33, body extent -3.65,-3.35 3.64,3.35, height 1.81
STM32F405RGT6 [mm] "LQFP-64_L10.0-W10.0-P0.50-LS12.0-BL"
  oval 1.796x0.28 smd: 1(-5.677,3.496) 2(-5.677,2.996) 3(-5.677,2.496) 4(-5.677,1.996) 5(-5.677,1.496) 6(-5.677,0.996) 7(-5.677,0.496) 8(-5.677,-0.004) 9(-5.677,-0.504) 10(-5.677,-1.004) 11(-5.677,-1.504) 12(-5.677,-2.004) 13(-5.677,-2.504) 14(-5.677,-3.004) 15(-5.677,-3.504) 16(-5.677,-4.004) 33(5.423,-4.004) 34(5.423,-3.504) 35(5.423,-3.004) 36(5.423,-2.504) 37(5.423,-2.004) 38(5.423,-1.504) 39(5.423,-1.004) 40(5.423,-0.504) 41(5.423,-0.004) 42(5.423,0.496) 43(5.423,0.996) 44(5.423,1.496) 45(5.423,1.996) 46(5.423,2.496) 47(5.423,2.996) 48(5.423,3.496)
  oval 0.28x1.796 smd: 17(-3.877,-5.804) 18(-3.377,-5.804) 19(-2.877,-5.804) 20(-2.377,-5.804) 21(-1.877,-5.804) 22(-1.377,-5.804) 23(-0.877,-5.804) 24(-0.377,-5.804) 25(0.123,-5.804) 26(0.623,-5.804) 27(1.123,-5.804) 28(1.623,-5.804) 29(2.123,-5.804) 30(2.623,-5.804) 31(3.123,-5.804) 32(3.623,-5.804) 49(3.623,5.296) 50(3.123,5.296) 51(2.623,5.296) 52(2.123,5.296) 53(1.623,5.296) 54(1.123,5.296) 55(0.623,5.296) 56(0.123,5.296) 57(-0.377,5.296) 58(-0.877,5.296) 59(-1.377,5.296) 60(-1.877,5.296) 61(-2.377,5.296) 62(-2.877,5.296) 63(-3.377,5.296) 64(-3.877,5.296)
  silkscreen extent -6.18,-4.5 4.12,4.29, body extent -6.01,-6.14 5.76,5.63, height 1.55
USB-C-SMD_TYPE-C-24P-QT [mm]
  oval 1x2 hole 0.6 slot 1.6 at 90 deg: 1(-4.32,1.963) 2(4.32,1.963)
  oval 1.5x1 hole 0.6 slot 1.2 at 0 deg: 1(-3.97,1.463) 2(3.97,1.463)
  oval 1x2.3 hole 0.6 slot 1.9 at 90 deg: 3(4.32,-2.587) 4(-4.32,-2.587)
  rect 0.3x0.95 smd: A1(-2.625,2.588) A2(-2.125,2.588) A3(-1.625,2.588) A4(-1.125,2.588) A5(-0.625,2.588) A6(-0.125,2.588) A7(0.375,2.588) A8(0.875,2.588) A9(1.375,2.588) A10(1.875,2.588) A11(2.375,2.588) A12(2.875,2.588) B1(2.625,1.288) B2(2.125,1.288) B3(1.625,1.288) B4(1.125,1.288) B5(0.625,1.288) B6(0.125,1.288) B7(-0.375,1.288) B8(-0.875,1.288) B9(-1.375,1.288) B10(-1.875,1.288) B11(-2.375,1.288) B12(-2.875,1.288)
  round 0.5 hole 0.5 unplated: ""(-3.4,0.613) ""(3.4,0.613)
  silkscreen extent -4.32,-5.29 4.32,2.79
XT30PW-M [mm]
  round 2.3 hole 1.2: 0(-5.5,-5) 0(5.5,-5)
  rect 2.6x2.6 hole 1.9: 1(-2.5,5) 2(2.5,5)
  silkscreen extent -7.18,-7.95 7.14,6.52, body extent -6.67,-7.95 6.63,6, height 5
卫星轴 [mil] "stab"
  round 0 hole 120: 0(-470,275) 3(470,275)
  round 0 hole 157: 1(-470,-325) 4(470,-325)
  body extent -599,-435 609,321, height 622
空格卫星轴 [mil] "stab"
  round 0 hole 120: 0(1970,275) 3(-1970,275)
  round 0 hole 157: 1(1970,-325) 4(-1970,-325)
  body extent -2103,-433 2104,328, height 461

## Part data
0 1 2 3 4 5 6 7 8 9 ' , - . / ; [ \ ] A B BACK C CAPS D DEL DOWN E END ENTER EQUAL ESC F F1 F2 F3 F4 F5 F6 F7 F8 F9 F10 F11 F12 FN G H HOME I INS J K L LALT LCTRL LIFT LSHIFT M MENU N N0 N1 N2 N3 N4 N5 N6 N7 N8 N9 N* N- N/ NDOT NENTER NPLUS NUMLOCK O P PAUSE PGDN PGUP PRTSC Q R RALT RCTRL RIGHT RSHIFT S SCRLK SPACE SUPER T TAB U UP V W X Y Z ~: library part MX_SW-1
AT_Config: library part HDR1x5_卧
C1 C2 C3 C4 C5 C6 C7 C8 C9 C10 C11 C12 C13: "Capacitor"
D1 D2 D3 DR: library part "LED 0805R 红", "Typical INFRARED GaAs LED"
D4 D5 D6 D7 D8 D9 D10 D11 D12 D13 D14 D15 D16 D17 D18 D19 D20 D21 D22 D23 D24 D25 D26 D27 D28 D29 D30 D31 D32 D33 D34 D35 D36 D37 D38 D39 D40 D41 D42 D43 D44 D45 D46 D47 D48 D49 D50 D51 D52 D53 D54 D55 D56 D57 D58 D59 D60 D61 D62 D63 D64 D65 D66 D67 D68 D69 D70 D71 D72 D73 D74 D75 D76 D77 D78 D79 D80 D81 D82 D83 D84 D85 D86 D87 D88 D89 D90 D91 D92 D93 D94 D95 D96 D97 D98 D99 D100 D101 D102 D103 D104 D105 D106 D107: library part Diode, "Default Diode"
FUSB FUSB2: library part FU
HC-1: library part HC-04
JTAG_SW UART5 USART1 USART3: library part HDR1x4_卧
Q1 Q2 Q3: library part 2N7002,215
R1 R2 R3 R4 R5 R6 R7 R8 R9 R10 R11 R12 R13 R17 R18 R19 R20 R21 R22 R23 R24: "Resistor"
R14 R15 R16: library part "R 0603_L", "Resistor"
REST SRES: "Switch"
Y1: library part "3325 12Mhz", "3325 12MHZ 无源晶振"

## Via types
v1: diameter 0.508, hole 0.254, Top Layer to Bottom Layer, 1072 vias
v2: diameter 0.61, hole 0.305, Top Layer to Bottom Layer, 310 vias
v3: diameter 0.508, hole 0.254, Top Layer to Bottom Layer, tented both sides, 30 vias

## Nets (pads, with @x,y where several pads share a name; then routed paths per layer and width w, separated by ;. In a path a pad name is that pad's centre, name@x,y a point inside that pad or via, vN(x,y) a via of type N, cw(c..) or ccw(c..) an arc to the next point about the centre after c; other vN are vias at no path point)
BUTTON_AD(PA3): OLED.1 U1.17 | length 171.6
  Top Layer w0.254: v2(391.236,188.725) 391.236,153.213 396.424,148.025 396.424,143.237 397.116,142.545 404.444,142.545 408.356,138.633 408.356,135.915 408.94,135.331 411.48,135.331 413.537,137.389 413.537,141.554 409.194,145.898 409.194,148.844 409.629,149.279 414.674,149.279 415.372,148.581 415.372,144.272 416.042,143.602 417.71,143.602 418.792,144.684 418.792,146.529 420.303,148.04 U1.17@420.303,148.882 ; OLED.1@456.144,185.039 v2(456.144,187.655)
  Bottom Layer w0.254: v2(391.236,188.725) 403.911,188.725 455.033,188.767 v2(456.144,187.655)
CAN2_RX(PB5): J1.4 U1.57 | length 54.3
  Top Layer w0.254: v2(412.877,167.056) J1.4@412.877,168.236 ; U1.57@423.803,159.982 423.803,158.806 v2(424.917,157.693)
  Bottom Layer w0.254: v2(412.877,167.056) 412.877,161.163 413.575,160.465 416.744,160.465 422.649,166.37 433.829,166.37 434.083,166.116 434.083,165.103 426.139,165.103 423.647,162.611 423.647,160.655 424.79,159.512 425.933,159.512 426.441,159.004 426.441,158.201 425.933,157.693 v2(424.917,157.693)
CAN2_TX(PB6): J1.1 U1.58 | length 31.6
  Top Layer w0.254: J1.1@409.067,168.236 409.067,167.132 409.908,166.291 416.024,166.291 417.373,167.64 417.373,171.628 418.414,172.669 420.243,172.669 420.243,169.406 423.303,166.346 U1.58@423.303,159.982
CAN_H: CAN1.2 J1.7 R8.2 | length 11.6
  Top Layer w0.254: CAN1.2@409.702,185.039 409.702,178.627 R8.2@409.765,178.564 410.083,178.246 410.083,173.99 J1.7@410.337,173.736
CAN_L: CAN1.1 J1.6 R8.1 | length 11.6
  Top Layer w0.254: CAN1.1@410.952,185.039 410.952,178.76 R8.1@411.15,178.562 411.353,178.359 411.353,173.99 J1.6@411.607,173.736
DIN_1_1: F12.4 ~.6 | length 308.5
  Top Layer w0.254: v2(64.821,139.268) 64.821,143.535 109.779,188.493 320.587,188.493 v2(339.801,169.279)
  Bottom Layer w0.254: v2(64.821,139.268) 65.012,139.077 ~.6@66.111,139.077 ; F12.4@338.511,169.279 v2(339.801,169.279)
DIN_2_1: \.4 CAPS.6 | length 282.8
  Top Layer w0.254: v2(332.715,106.578) 332.715,113.872 333.197,114.355 333.197,119.888 v2(334.975,121.666)
  Bottom Layer w0.254: CAPS.6@73.35,101.104 72.39,101.104 72.06,101.434 72.06,103.632 74.701,106.274 194.183,106.274 194.285,106.375 332.511,106.375 v2(332.715,106.578) ; \.4@333.685,121.654 334.963,121.654 v2(334.975,121.666)
DIN_3_1: LCTRL.6 RSHIFT.4 | length 293.3
  Bottom Layer w0.254: LCTRL.6@68.524,63.004 67.234,63.004 61.976,68.262 61.976,72.212 79.604,89.84 124.308,89.84 126.441,91.973 126.441,93.35 126.97,93.878 140.945,93.878 141.935,92.888 143.434,92.888 143.538,92.784 144.798,92.784 145.715,93.701 161.625,93.701 162.542,92.784 163.848,92.784 164.485,93.421 181.082,93.421 181.719,92.784 183.025,92.784 183.662,93.421 200.005,93.421 200.642,92.784 201.948,92.784 202.585,93.421 219.182,93.421 219.819,92.784 221.125,92.784 221.991,93.65 238.003,93.65 238.869,92.784 240.175,92.784 240.812,93.421 257.282,93.421 257.919,92.784 259.225,92.784 259.862,93.421 276.332,93.421 276.969,92.784 278.275,92.784 278.912,93.421 295.382,93.421 297.325,91.477 297.325,88.773 299.078,87.02 309.474,87.02 311.607,84.887 320.904,84.887 321.462,84.328 321.462,83.554 RSHIFT.4@321.874,83.554
DIN_3_2: DEL.6 PGUP.4 | length 71.3
  Top Layer w0.254: v2(355.397,120.371) 355.397,124.003 361.645,130.251 361.645,133.325 361.899,133.579 v2(361.899,145.009)
  Bottom Layer w0.254: v2(355.397,120.371) 355.397,120.154 DEL.6@356.687,120.154 ; v2(361.899,145.009) 398.796,145.009 399.771,144.034 399.771,140.577 PGUP.4@400.487,140.577
DIN_3_3: N9.4 NPLUS.6 | length 21
  Top Layer w0.254: v2(469.062,121.654) 469.062,117.487 v2(475.285,111.264)
  Bottom Layer w0.254: N9.4@462.336,121.654 v2(469.062,121.654) ; v2(475.285,111.264) NPLUS.6@476.575,111.264
DIN_3V3_1(PB7): Q1.2 R11.1 U1.59 | length 124.8
  Top Layer w0.254: Q1.2@348.241,154.493 349.458,154.493 R11.1@349.758,154.193 v2(354.569,154.193) ; v2(393.37,153.797) 393.37,162.408 394.868,163.906 v2(394.868,183.185) ; v3(421.598,166.666) 422.803,165.461 U1.59@422.803,159.982 ; v2(422.021,179.222) 421.945,179.146 421.945,175.576 422.783,174.738 v2(422.783,167.85)
  Bottom Layer w0.254: v2(354.569,154.193) 354.965,153.797 v2(393.37,153.797) ; v2(394.868,183.185) 418.059,183.185 v2(422.021,179.222) ; v3(421.598,166.666) v2(422.783,167.85)
DIN_3V3_2(PB8): Q2.2 R13.1 U1.61 | length 84.2
  Top Layer w0.254: R13.1@349.758,148.097 349.519,148.336 348.285,148.336 Q2.2@348.234,148.336 348.234,149.225 348.818,149.809 v2(349.758,149.809) ; v2(421.411,158.572) 421.803,158.964 U1.61@421.803,159.982
  Bottom Layer w0.254: v2(349.758,149.809) 406.578,149.809 407.416,148.971 410.995,148.971 411.573,149.549 411.573,150.776 412.349,151.551 412.349,154.333 413.326,155.311 413.928,155.311 414.436,155.819 416.372,155.819 419.125,158.572 v2(421.411,158.572)
DIN_3V3_3(PB9): Q3.2 R20.1 U1.62 | length 90.9
  Top Layer w0.254: v2(347.396,151.079) 347.396,144.094 348.132,143.358 Q3.2@348.132,142.301 ; Q3.2@348.114,142.301 Q3.2@348.132,142.301 ; R20.1@349.631,142.001 349.331,142.301 Q3.2@348.132,142.301 ; U1.62@421.303,159.982 421.303,161.817 v2(421.31,161.823)
  Bottom Layer w0.254: v2(347.396,151.079) 351.561,155.245 403.512,155.245 408.278,160.011 416.932,160.011 418.744,161.823 v2(421.31,161.823)
DIN_5V0_1: ESC.6 Q1.3 R9.1 | length 290.3
  Top Layer w0.254: v2(343.423,154.635) R9.1@343.423,153.67 345.814,153.67 Q1.3@345.941,153.543
  Bottom Layer w0.254: ESC.6@66.111,167.906 66.523,167.906 66.523,161.544 67.557,160.51 71.194,160.51 72.118,159.586 73.424,159.586 73.655,159.817 99.593,159.817 102.845,156.566 191.668,156.566 193.599,154.635 v2(343.423,154.635)
DIN_5V0_2: Q2.3 R12.1 TAB.6 | length 306.7
  Top Layer w0.254: v2(339.319,129.108) 346.659,136.449 346.659,142.57 346.024,143.205 346.024,147.386 Q2.3@345.934,147.386 345.873,147.447 R12.1@343.677,147.447
  Bottom Layer w0.254: TAB.6@70.81,120.154 69.85,120.154 68.834,121.17 68.834,124.257 69.647,125.07 259.842,125.07 260.629,124.282 340.004,124.282 340.395,124.673 340.395,127.88 339.319,128.956 v2(339.319,129.108)
DIN_5V0_3: LSHIFT.6 Q3.3 R19.1 | length 320.1
  Top Layer w0.254: v2(76.759,82.054) 76.759,91.618 73.838,94.539 73.838,107.041 89.611,122.814 v2(89.611,126.594) ; v2(337.083,131.674) 344.073,138.663 R19.1@344.073,141.224 345.814,141.224 Q3.3@345.814,141.351
  Bottom Layer w0.254: v2(76.759,82.054) LSHIFT.6@78.049,82.054 ; v2(89.611,126.594) 229.972,126.594 234.772,131.394 242.931,131.394 243.568,130.757 244.874,130.757 245.511,131.394 261.264,131.394 261.671,130.988 262.433,130.988 262.664,130.757 263.924,130.757 264.561,131.394 281.031,131.394 281.668,130.757 282.974,130.757 283.738,131.521 300.081,131.521 300.718,130.884 302.024,130.884 302.534,131.394 328.656,131.394 329.316,130.734 330.576,130.734 331.516,131.674 v2(337.083,131.674)